# Altium PCB cat.PcbDoc (part 1 of 3) (continued)
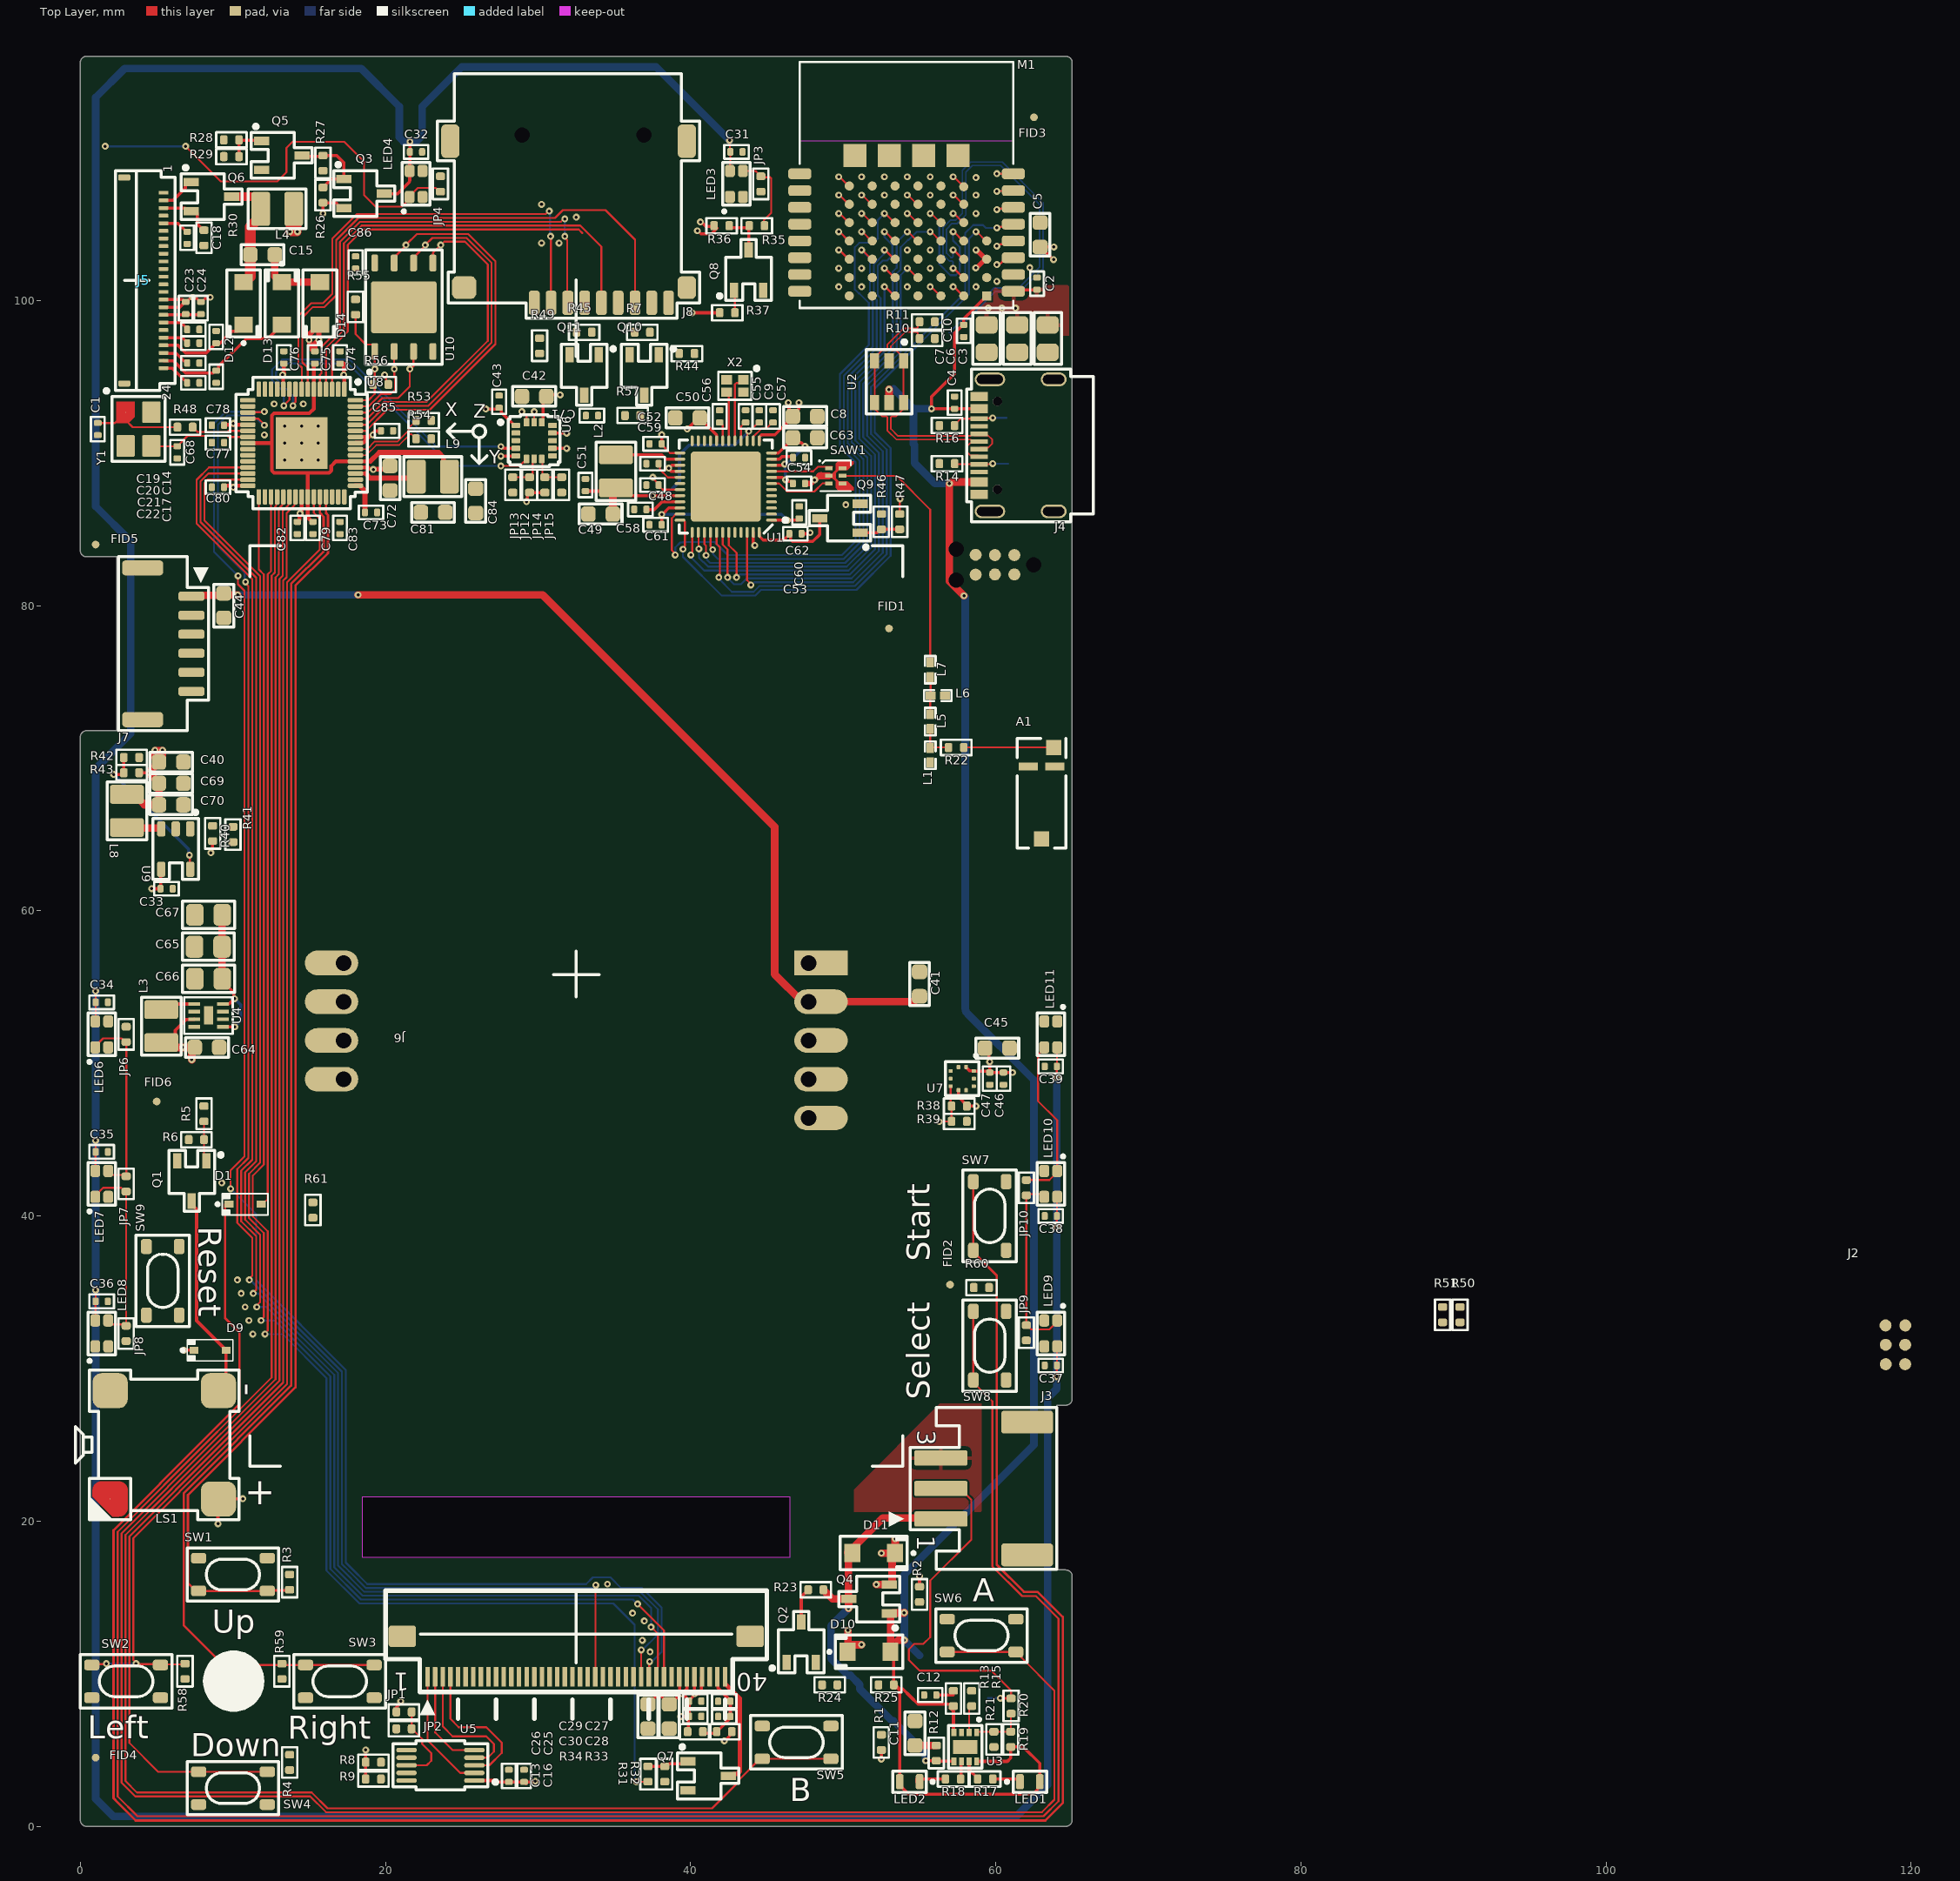
[diagram p0: Top Layer view]
## Components (designator, comment, footprint, x,y, rotation, side; value= is the part's Value field where it differs from the comment) (continued)
R19 "RC0402FR-076K8L" 0402_resistor 60.975,5.7 r90 top value=6.8kΩ
R20 "RC0402JR-071KL" 0402_resistor 61,7.886 r270 top value=1kΩ
R21 "Rset" 0402_resistor 59.875,5.7 r90 top value=1kΩ
R22 "RC0402FR-070RL" 0402_resistor 57.4,70.7 r0 top value=0Ω
R23 "RC0402FR-07100KL" 0402_resistor 48.2,15.5 r0 top value=100kΩ
R24 "RC0402FR-07100KL" 0402_resistor 49.111,9.271 r180 top value=100kΩ
R25 "RC0402FR-07100KL" 0402_resistor 52.811,9.271 r0 top value=100kΩ
R26 "RC0402FR-075K1L" 0402_resistor 15.9,106.9 r270 top value=5.1kΩ
R27 "RC0402FR-0710KL" 0402_resistor 15.9,109 r270 top value=10kΩ
R28 "RC0402JR-071KL" 0402_resistor 9.9,110.525 r0 top value=1kΩ
R29 "RC0402FR-0710KL" 0402_resistor 9.9,109.425 r180 top value=10kΩ
R30 "RL0402FR-070R47L" 0402_resistor 8.1,104.1 r90 top value=0.47Ω
R31 "RC0402JR-071KL" 0402_resistor 37.2,3.425 r90 top value=1kΩ
R32 "RC0402FR-0710KL" 0402_resistor 38.3,3.425 r270 top value=10kΩ
R33 "RC0402JR-0710RL" 0402_resistor 42.2,6.2 r0 top value=10Ω
R34 "RC0402JR-0710RL" 0402_resistor 40.3,6.2 r180 top value=10Ω
R35 "RMCF0402FT27R0" 0402_resistor 44.336,104.894 r0 top
R36 "RC0402FR-075K1L" 0402_resistor 42.029,104.894 r180 top value=5.1kΩ
R37 "RC0402FR-075K1L" 0402_resistor 42.4,99.192 r180 top value=5.1kΩ
R38 "RC0402FR-070RL" 0402_resistor 57.6,47.2 r180 top value=0Ω
R39 "RC0402FR-070RL" 0402_resistor 57.6,46.2 r0 top value=0Ω
R40 "RC0402FR-0710KL" 0402_resistor 8.667,65.069 r270 top value=10kΩ
R41 "RC0402FR-0710KL" 0402_resistor 10,65 r90 top value=10kΩ
R42 "RC0402FR-07100KL" 0402_resistor 3.349,70.046 r180 top value=100kΩ
R43 "RC0402FR-07442KL" 0402_resistor 3.349,69.046 r0 top value=442kΩ
R44 "RC0402JR-071KL" 0402_resistor 39.751,96.52 r180 top value=1kΩ
R45 "RC0402FR-075K1L" 0402_resistor 33.02,97.917 r180 top value=5.1kΩ
R46 "RC0402FR-075K1L" 0402_resistor 52.5,85.5 r90 top value=5.1kΩ
R47 "RC0402JR-071KL" 0402_resistor 53.7,85.5 r270 top value=1kΩ
R48 "RC0402JR-071KL" 0402_resistor 6.858,91.694 r0 top value=1kΩ
R49 "RC0402FR-07100KL" 0402_resistor 30.099,97.028 r90 top value=100kΩ
R50 "RC0402FR-072K2L" 0402_resistor 90.424,33.528 r90 top value=2.2kΩ
R51 "RC0402FR-072K2L" 0402_resistor 89.281,33.528 r90 top value=2.2kΩ
R53 "RMCF0402FT27R0" 0402_resistor 22.5,92.129 r0 top
R54 "RMCF0402FT27R0" 0402_resistor 22.5,90.929 r0 top
R55 "RMCF0402FT10K0" 0402_resistor 18.034,99.568 r270 top
R56 "RC0402JR-071KL" 0402_resistor 19.685,94.488 r0 top value=1kΩ
R57 "RC0402FR-0710KL" 0402_resistor 36.195,92.456 r180 top value=10kΩ
R58 "RC0402FR-075K1L" 0402_resistor 6.858,10.16 r90 top value=5.1kΩ
R59 "RC0402FR-075K1L" 0402_resistor 13.208,10.16 r90 top value=5.1kΩ
R60 "RC0402FR-075K1L" 0402_resistor 59.055,35.306 r180 top value=5.1kΩ
R61 "RC0402FR-075K1L" 0402_resistor 15.24,40.386 r90 top value=5.1kΩ
SAW1 "Diplexer" CAF-50P160X80-6N 49.5,88.508 r0 top
SW1 "Up" PTS815 10,16.5 r180 top locked
SW2 "Left" PTS815 3,9.5 r0 top locked
SW3 "Right" PTS815 17.003,9.5 r0 top locked
SW4 "Down" PTS815 10,2.5 r0 top locked
SW5 "B" PTS815 46.938,5.5 r180 top locked
SW6 "A" PTS815 59.062,12.5 r180 top locked
SW7 "Start" PTS815 59.6,40 r90 top
SW8 "Select" PTS815 59.6,31.5 r90 top
SW9 "Reset" PTS815 5.4,35.75 r90 top
U1 "Wi-Fi6 Companion Chip" QFN40P600X600X60-48N 42.3,87.8 r180 top
U2 "USB TVS" SOT95P280X110-6N 53.004,94.669 r270 top
U3 "Li+ Charger" SON50P200X80_HS-9N 58,5.2 r270 top
U4 "5V Boost" SON50P200X50_HS-9N 8.401,53.142 r0 top
U5 "Resistive Touch Controller" TSSOP50P490X112-10N 23.6,4 r180 top
U6 "3-Axis Accelerometer" LGA50P300X300X100-16N 29.742,90.812 r0 top locked
U7 "Barometer" LPS22 57.8,49 r270 top
U8 "Microcontroller" PQFN40P700X700X80_HS-61N 14.5,90.654 r270 top
U9 "Buck" SOT95P280X115-5N 6.249,64.046 r270 top
U10 "128Mb Flash" WDFN-8 21.2,99.554 r90 top
X2 "40MHz" 1612_CRYSTAL 42.9,94.4 r180 top
Y1 "TAXM12M4RLBDDT2T" 3225_crystal 3.81,91.567 r270 top value=12MHz

## Footprints (in the part's own frame and the unit in brackets; to place one, negate y for a bottom-side part, rotate by r counter-clockwise, add the part's x,y. Pads: shape width x height; smd on the part's side, far side on the other; paste and mask are expansions set on the pad)
006-0-0008 [mm] "Sunrise CO2 sensor"
  rect 3.5x1.62 hole 1.02 copper offset -0.8,0: 1(-15.24,5.08)
  oval 3.5x1.62 hole 1.02 copper offset -0.8,0: 2(-15.24,2.54) 3(-15.24,0) 4(-15.24,-2.54) 5(-15.24,-5.08)
  oval 3.5x1.62 hole 1.02 copper offset 0.8,0: 6(15.24,-2.54) 7(15.24,0) 8(15.24,2.54) 9(15.24,5.08)
  silkscreen extent -18.1,-9.85 18.1,9.85, body extent -17.04,-9.85 16.51,9.85, height 14.02
0402_capacitor [mm] "0402 chip capacitor"
  rrect50% 0.4x0.5 smd: 1(-0.4,0) 2(0.4,0)
  silkscreen extent -0.8,-0.45 0.8,0.45, body extent -0.53,-0.28 0.53,0.28, height 0.55
0402_resistor [mm] "Chip Resistor, 2-Leads, Body 1.00x0.50mm, IPC Medium Density"
  rrect50% 0.5x0.6 smd: 1(-0.5,0) 2(0.5,0)
  silkscreen extent -1,-0.5 1,0.5, body extent -0.53,-0.28 0.53,0.28, height 0.4
0603_capacitor [mm] "Chip Capacitor, 2-Leads, Body 1.60x0.80mm, IPC Medium Density"
  rrect50% 0.95x1 smd: 1(-0.8,0) 2(0.8,0)
  silkscreen extent -1.4,-0.65 1.4,0.65, body extent -0.87,-0.48 0.87,0.48, height 0.87
0603_DIODE [mm]
  rrect50% 0.5x1 smd: 1(-0.65,0) 2(0.65,0)
  silkscreen extent -1.61,-0.7 1.1,0.7, body extent -0.81,-0.4 0.81,0.4, height 0.74
0805_capacitor [mm] "Chip Capacitor, 2-Leads, Body 2.00x1.25mm, IPC Medium Density"
  rrect50% 1.15x1.45 smd: 1(-0.9,0) 2(0.9,0)
  silkscreen extent -1.7,-0.9 1.7,0.9, body extent -1.15,-0.72 1.15,0.72, height 0.95
1612_CRYSTAL [mm] "Crystal 1.6 x 1.2 mm"
  rect 0.7x0.6 smd: 1(-0.55,-0.4) 2(0.55,-0.4) 3(0.55,0.4) 4(-0.55,0.4)
  silkscreen extent -1.55,-1.27 1.09,0.91, body extent -0.83,-0.63 0.83,0.63, height 0.41
3225_crystal [mm]
  round 0.025 smd: 1(-1.1,-0.85)
  rrect10% 1.4x1.2 smd: 2(1.1,-0.85) 3(1.1,0.85) 4(-1.1,0.85)
  Top Layer region: -1.8,-1.45 -1.8,-0.25 -1.4,-0.25 -0.8,-0.25 -0.4,-0.65 -0.4,-1.45
  silkscreen extent -2.62,-2.22 2.12,1.75, body extent -1.6,-1.25 1.6,1.25, height 0.8
8585_speaker [mm]
  rrect50% 2.3x2.3 smd: +(3.55,3.55) -(-3.55,3.55) MP(-3.55,-3.55)
  round 0.025 smd: MP(3.55,-3.55)
  Top Layer region: 4.125,-2.4 4.345,-2.444 4.532,-2.568 4.656,-2.755 4.7,-2.975 4.7,-2.975 4.7,-3.4 3.4,-4.7 2.975,-4.7 2.755,-4.656 2.568,-4.532 2.444,-4.345 2.4,-4.125 2.4,-4.125 2.4,-2.975 2.444,-2.755 2.568,-2.568 2.755,-2.444 2.975,-2.4 2.975,-2.4
  silkscreen extent -4.9,-5.82 4.9,4.9, body extent -4.3,-4.3 4.3,4.3, height 3
BT40 [mm] "BLE Module"
  rrect50% 1.5x0.7 smd: 1(-7,3.332) 2(-7,2.232) 3(-7,1.132) 4(-7,0.032) 5(-7,-1.068) 6(-7,-2.168) 7(-7,-3.268) 8(-7,-4.368) 9(7,-4.368) 10(7,-3.268) 11(7,-2.168) 12(7,-1.068) 13(7,0.032) 14(7,1.132) 15(7,2.232) 16(7,3.332)
  round 0.6 smd: A0(-2.25,2.533) A1(-2.25,1.333) A2(-2.25,0.133) A3(-2.25,-1.067) A4(-2.25,-2.267) A5(-2.25,-3.467) A6(-2.25,-4.667) B0(-0.75,2.533) B1(-0.75,1.333) B2(-0.75,0.133) B3(-0.75,-1.067) B4(-0.75,-2.267) B5(-0.75,-3.467) B6(-0.75,-4.667) C0(0.75,2.533) C1(0.75,1.333) C2(0.75,0.133) C3(0.75,-1.067) C4(0.75,-2.267) C5(0.75,-3.467) C6(0.75,-4.667) D0(2.25,2.533) D1(2.25,1.333) D2(2.25,0.133) D3(2.25,-1.067) D4(2.25,-2.267) D5(2.25,-3.467) D6(2.25,-4.667) E0(3.75,2.485) E1(3.75,1.333) E2(3.75,0.133) E3(3.75,-1.067) E4(3.75,-2.267) E5(3.75,-3.467) E6(3.75,-4.667) F3(5.25,-1.067) F4(5.25,-2.267) F5(5.25,-3.467) Z0(-3.75,2.533) Z1(-3.75,1.333) Z2(-3.75,0.133) Z3(-3.75,-1.067) Z4(-3.75,-2.267) Z5(-3.75,-3.467) Z6(-3.75,-4.667)
  rect 0.6x0.6 smd: F6(5.25,-4.667)
  rect 1.5x1.5 smd: H0(-3.375,4.533) H1(-1.125,4.533) H2(1.125,4.533) H3(3.375,4.533)
  Top Layer keep-out region: -7,5.5 6.997,5.5 6.997,10.662 -7,10.662
  silkscreen extent -7.01,-5.47 7,10.66, body extent -7,-5.38 7,10.66, height 2.01
CAF-50P160X80-6N [mm] "Chip Array, Flat, 6-Leads, Pitch 0,50mm,  Body 1,60x0,80mm,  IPC Medium Density"
  rect 0.5x0.25 smd mask+0.08: 1(-0.45,0.5) 2(-0.45,0) 3(-0.45,-0.5) 5(0.45,-0.5) 6(0.45,0) 7(0.45,0.5)
  Top Layer region: 0.786,0.375 0.2,0.375 0,0.175 0,-0.175 0.2,-0.375 0.789,-0.375 1.175,-0.761 1.175,-0.95 0.15,-0.95 0,-0.8 0,-0.375 -0.25,-0.125 -0.8,-0.125 -0.9,-0.225 -1,-0.225 -1,0.225 -0.9,0.225 -0.8,0.125 -0.25,0.125 0,0.375 0,0.8 0.15,0.95 1.175,0.95 1.175,0.764
  silkscreen extent -1.1,-1 1,1.02, body extent -0.53,-0.88 0.47,0.88, height 0.7
CH240QV23A-T [mm]
  rrect25% 1.3x0.3 smd: 1(38.2,-9.75) 2(38.2,-9.25) 3(38.2,-8.75) 4(38.2,-8.25) 5(38.2,-7.75) 6(38.2,-7.25) 7(38.2,-6.75) 8(38.2,-6.25) 9(38.2,-5.75) 10(38.2,-5.25) 11(38.2,-4.75) 12(38.2,-4.25) 13(38.2,-3.75) 14(38.2,-3.25) 15(38.2,-2.75) 16(38.2,-2.25) 17(38.2,-1.75) 18(38.2,-1.25) 19(38.2,-0.75) 20(38.2,-0.25) 21(38.2,0.25) 22(38.2,0.75) 23(38.2,1.25) 24(38.2,1.75) 25(38.2,2.25) 26(38.2,2.75) 27(38.2,3.25) 28(38.2,3.75) 29(38.2,4.25) 30(38.2,4.75) 31(38.2,5.25) 32(38.2,5.75) 33(38.2,6.25) 34(38.2,6.75) 35(38.2,7.25) 36(38.2,7.75) 37(38.2,8.25) 38(38.2,8.75) 39(38.2,9.25) 40(38.2,9.75)
  rrect25% 1.4x1.8 smd: MP(35.55,-11.4) MP(35.55,11.4)
  Keep-Out Layer board cut-out: 26.4,14 30.4,14 30.4,-14 26.4,-14
  silkscreen extent -35.91,-21.4 40.95,21.4, body extent -35.87,-21.36 38.35,21.36, height 3.5
debug_header_dual [mm]
  round 0.787 smd paste-2: 1(1.27,-0.635) 2(1.27,0.635) 3(2.54,-0.635) 4(2.54,0.635) 5(3.81,-0.65) 6(3.81,0.65)
  round 0.787 smd far side paste-2: 1(1.27,0.635) 2(1.27,-0.635) 3(2.54,0.635) 4(2.54,-0.635) 5(3.81,0.65) 6(3.81,-0.65)
  round 0 hole 0.991 unplated: ""(0,0) ""(5.08,-1.016) ""(5.08,1.016)
E2206KS0E1 [mm]
  rrect50% 0.65x0.25 smd: 1(-27.05,8.222) 2(-27.05,7.722) 3(-27.05,7.222) 4(-27.05,6.722) 5(-27.05,6.222) 6(-27.05,5.722) 7(-27.05,5.222) 8(-27.05,4.722) 9(-27.05,4.222) 10(-27.05,3.722) 11(-27.05,3.222) 12(-27.05,2.722) 13(-27.05,2.222) 14(-27.05,1.722) 15(-27.05,1.222) 16(-27.05,0.722) 17(-27.05,0.222) 18(-27.05,-0.278) 19(-27.05,-0.778) 20(-27.05,-1.278) 21(-27.05,-1.778) 22(-27.05,-2.278) 23(-27.05,-2.778) 24(-27.05,-3.278)
  rrect50% 0.8x0.4 smd: MP(-29.625,-4.278) MP(-29.625,9.222)
  silkscreen extent -30.2,-4.73 2.5,9.67, body extent -39.45,-14.75 26,14.75, height 3.85
fiducial-0.5 [mm]
  round 0.5 smd paste-0.25 mask+0.5: F(0,0)
INDC1005X04L [mm] "Chip Inductor, 2-Leads, Body 2.50x2.00mm, IPC Medium Density"
  rect 0.65x0.5 smd: 1(-0.475,0) 2(0.475,0)
  silkscreen extent -0.9,-0.35 0.9,0.35, body extent -0.5,-0.28 0.5,0.33, height 0.5
INDC2520X12N [mm] "Chip Inductor, 2-Leads, Body 2.50x2.00mm, IPC Medium Density"
  rrect25% 1.23x2.22 smd: 1(-1.085,0) 2(1.085,0)
  silkscreen extent -1.9,-1.3 1.9,1.3, body extent -1.35,-1.1 1.35,1.1, height 1.2
LGA50P300X300X100-16N [mm] "LGA, 16-Leads, Body 3.00x3.00mm, Pitch 0.50mm, IPC Medium Density"
  rrect20% 0.55x0.35 smd: 1(-1.2,1) 2(-1.2,0.5) 3(-1.2,0) 4(-1.2,-0.5) 5(-1.2,-1) 9(1.2,-1) 10(1.2,-0.5) 11(1.2,0) 12(1.2,0.5) 13(1.2,1)
  rrect20% 0.35x0.55 smd: 6(-0.5,-1.2) 7(0,-1.2) 8(0.5,-1.2) 14(0.5,1.2) 15(0,1.2) 16(-0.5,1.2)
  silkscreen extent -5.7,-1.7 1.7,1.7, body extent -1.58,-1.58 1.58,1.58, height 1
LPS22 [mm] "LGA-10"
  rrect50% 0.275x0.25 smd: 1(-0.76,0.25) 2(-0.76,-0.25) 6(0.76,-0.25) 7(0.76,0.25)
  rrect50% 0.25x0.275 smd: 3(-0.5,-0.76) 4(0,-0.76) 5(0.5,-0.76) 8(0.5,0.76) 9(0,0.76) 10(-0.5,0.76)
  silkscreen extent -1.6,-1.1 1.1,1.1, body extent -1,-1 1,1, height 0.81
NN03-320 [mm]
  rect 1x1 smd: 1(-3,0) 4(3,-0.8)
  rect 0.5x1.25 smd: 2(1.75,-0.875) 3(1.75,0.875)
  Multi-Layer pour cut-out: -3.5,1.5 3.5,1.5 3.5,-1.5 -3.5,-1.5
  silkscreen extent -3.6,-1.6 3.6,1.6, body extent -3.5,-1.5 3.5,1.5, height 2.01
PQFN40P700X700X80_HS-61N [mm] "PQFN, 60-Leads, Body 7.00x7.00mm, Pitch 0.40mm, Thermal Pad 3.40x3.40mm, IPC Medium Density"
  rrect50% 1x0.3 smd: 1(-3.525,2.8) 2(-3.525,2.4) 3(-3.525,2) 4(-3.525,1.6) 5(-3.525,1.2) 6(-3.525,0.8) 7(-3.525,0.4) 8(-3.525,0) 9(-3.525,-0.4) 10(-3.525,-0.8) 11(-3.525,-1.2) 12(-3.525,-1.6) 13(-3.525,-2) 14(-3.525,-2.4) 15(-3.525,-2.8) 31(3.525,-2.8) 32(3.525,-2.4) 33(3.525,-2) 34(3.525,-1.6) 35(3.525,-1.2) 36(3.525,-0.8) 37(3.525,-0.4) 38(3.525,0) 39(3.525,0.4) 40(3.525,0.8) 41(3.525,1.2) 42(3.525,1.6) 43(3.525,2) 44(3.525,2.4) 45(3.525,2.8)
  rrect50% 0.3x1 smd: 16(-2.8,-3.525) 17(-2.4,-3.525) 18(-2,-3.525) 19(-1.6,-3.525) 20(-1.2,-3.525) 21(-0.8,-3.525) 22(-0.4,-3.525) 23(0,-3.525) 24(0.4,-3.525) 25(0.8,-3.525) 26(1.2,-3.525) 27(1.6,-3.525) 28(2,-3.525) 29(2.4,-3.525) 30(2.8,-3.525) 46(2.8,3.525) 47(2.4,3.525) 48(2,3.525) 49(1.6,3.525) 50(1.2,3.525) 51(0.8,3.525) 52(0.4,3.525) 53(0,3.525) 54(-0.4,3.525) 55(-0.8,3.525) 56(-1.2,3.525) 57(-1.6,3.525) 58(-2,3.525) 59(-2.4,3.525) 60(-2.8,3.525)
  rect 3.4x3.4 smd: EP(0,0)
  silkscreen extent -4.3,-4.3 4.3,4.3, body extent -3.5,-3.5 3.5,3.5, height 0.8
PTS815 [mm]
  rrect50% 1x0.7 smd: 1(-2.25,1.075) 2(2.25,1.075) 3(-2.25,-1.075) 4(2.25,-1.075)
  silkscreen extent -3,-1.75 3,1.75, body extent -2.25,-1.6 2.25,1.6, height 2.5
QFN40P600X600X60-48N [mm] "QFN, 48-Leads, Body 6.1x6.1mm (max), Pitch 0.40mm, IPC Medium Density"
  oval 0.7x0.2 smd: 1(-3,2.2) 2(-3,1.8) 3(-3,1.4) 4(-3,1) 5(-3,0.6) 6(-3,0.2) 7(-3,-0.2) 8(-3,-0.6) 9(-3,-1) 10(-3,-1.4) 11(-3,-1.8) 12(-3,-2.2) 25(3,-2.2) 26(3,-1.8) 27(3,-1.4) 28(3,-1) 29(3,-0.6) 30(3,-0.2) 31(3,0.2) 32(3,0.6) 33(3,1) 34(3,1.4) 35(3,1.8) 36(3,2.2)
  oval 0.2x0.7 smd: 13(-2.2,-3) 14(-1.8,-3) 15(-1.4,-3) 16(-1,-3) 17(-0.6,-3) 18(-0.2,-3) 19(0.2,-3) 20(0.6,-3) 21(1,-3) 22(1.4,-3) 23(1.8,-3) 24(2.2,-3) 37(2.2,3) 38(1.8,3) 39(1.4,3) 40(1,3) 41(0.6,3) 42(0.2,3) 43(-0.2,3) 44(-0.6,3) 45(-1,3) 46(-1.4,3) 47(-1.8,3) 48(-2.2,3)
  rrect10% 4.6x4.6 smd: EP(0,0)
  silkscreen extent -4.03,-3.05 3.05,3.05, body extent -3.02,-3.02 3.02,3.02, height 0.86
S3B-PH-SM4-TB [mm]
  rrect25% 1x3.5 smd: 1(2,-2.8) 2(0,-2.8) 3(-2,-2.8)
  rrect25% 1.5x3.4 smd: MP(-4.35,2.85) MP(4.35,2.85)
  silkscreen extent -5.3,-6.2 5.3,4.8, body extent -4.95,-4.15 4.95,4.45, height 5.61
SM06B-GHS-TB [mm]
  rrect50% 0.6x1.7 smd: 1(-3.12,2.28) 2(-1.872,2.28) 3(-0.624,2.28) 4(0.624,2.28) 5(1.872,2.28) 6(3.12,2.28)
  rrect50% 1x2.7 smd: MP(-4.97,-0.92) MP(4.97,-0.92)
  silkscreen extent -5.7,-2.5 5.7,3.4, body extent -5.37,-2.15 5.38,2.7, height 4.36
SOD-123 [mm] "SODFL, 2-Leads, Body 1.78x3.70mm, IPC Medium Density"
  rect 1.05x1.2 smd: A(1.4,0) K(-1.4,0)
  silkscreen extent -2.7,-1.12 2.2,1.12, body extent -1.85,-0.96 1.85,0.96, height 1
SOD-323 [mm] "Diode Standard 75V 150mA Surface Mount SOD-323"
  rect 0.59x0.45 smd: A(1.055,0) K(-1.055,0)
  silkscreen extent -1.9,-0.7 1.5,0.7, body extent -1.25,-0.7 1.25,0.7, height 1.2
SON50P200X50_HS-9N [mm] "SON, 8-Leads, Body 2.00x2.00mm, Pitch 0.50mm, Thermal Pad 1.20x0.60mm, IPC Medium Density"
  rect 0.75x0.25 smd: 1(-0.94,0.75) 2(-0.94,0.25) 3(-0.94,-0.25) 4(-0.94,-0.75) 5(0.94,-0.75) 6(0.94,-0.25) 7(0.94,0.25) 8(0.94,0.75)
  rect 0.6x1.2 smd: EP(0,0)
  silkscreen extent -1.85,-1.2 1.59,1.2, body extent -1.03,-1.02 1.03,1.02, height 0.5
SON50P200X80_HS-9N [mm] "SON, 8-Leads, Body 2.00x2.00mm, Pitch 0.50mm, Thermal Pad 1.60x0.69mm, IPC Medium Density"
  rect 0.5x0.32 smd: 1(-0.945,0.75) 2(-0.945,0.25) 3(-0.945,-0.25) 4(-0.945,-0.75) 5(0.945,-0.75) 6(0.945,-0.25) 7(0.945,0.25) 8(0.945,0.75)
  rect 0.9x1.6 smd: EP(0,0)
  silkscreen extent -1.9,-1.1 1.4,1.1, body extent -1.05,-1.05 1.05,1.05, height 0.8
SOT95P280X110-6N [mm] "SOT23, 6-Leads, Body 2,90x2,80mm, Pitch 0,95mm, IPC Medium Density"
  rect 1x0.6 smd: 1(-1.375,0.95) 2(-1.375,0) 3(-1.375,-0.95) 4(1.375,-0.95) 5(1.375,0) 6(1.375,0.95)
  silkscreen extent -2.72,-1.5 2.1,1.5, body extent -0.88,-1.52 0.87,1.53, height 1.1
SOT95P280X115-3N [mm] "SOT23, 3-Leads, Body 2.92x2.80mm, Pitch 0.95mm, IPC Medium Density"
  rect 1x0.55 smd: 1(-1.325,0.95) 2(-1.325,-0.95) 3(1.325,0)
  silkscreen extent -2,-1.5 2,2.02, body extent -1.45,-1.49 1.45,1.49, height 1.15
SOT95P280X115-5N [mm] "SOT23, 5-Leads, Body 2.92x2.80mm, Pitch 0.95mm, IPC Medium Density"
  rrect50% 1x0.55 smd: 1(-1.325,0.95) 2(-1.325,0) 3(-1.325,-0.95) 4(1.325,-0.95) 5(1.325,0.95)
  silkscreen extent -2.52,-1.5 2,1.5, body extent -1.45,-1.49 1.45,1.49, height 1.15
TF-115YY-BCP9 [mm] "Micro SD holder"
  rrect50% 0.7x1.6 smd: 1(2.25,6.5) 2(1.15,6.5) 3(0.05,6.5) 4(-1.05,6.5) 5(-2.15,6.5) 6(-3.25,6.5) 7(-4.35,6.5) 8(-5.45,6.5) CD(-6.55,6.5)
  rrect50% 1.2x1.5 smd: MP(-7.75,5.5)
  rrect50% 1.2x2.2 smd: MP(-7.75,-4.1) MP(7.75,-4.1)
  rrect50% 1.6x1.5 smd: MP(6.85,5.5)
  rrect50% 0x0 hole 1 unplated: ""(-4.95,-4.5) ""(3.05,-4.5)
  silkscreen extent -8.6,-8.5 8.6,7.5, body extent -8,-11.07 8.1,6.75, height 2.05
TSSOP50P490X112-10N [mm] "TSSOP, 10-Leads, Body 3.00x3.00mm, Pitch 0.50mm, IPC Medium Density"
  oval 1.35x0.3 smd: 1(-2.225,1) 2(-2.225,0.5) 3(-2.225,0) 4(-2.225,-0.5) 5(-2.225,-1) 6(2.225,-1) 7(2.225,-0.5) 8(2.225,0) 9(2.225,0.5) 10(2.225,1)
  silkscreen extent -3.73,-1.6 3.1,1.6, body extent -2.45,-1.55 2.45,1.55, height 1.12
USB_C_2.0_M12 [mm] "HRO M12/GCT 4105 USB-C 2.0 CONNECTOR"
  rect 0.6x1.14 smd: A1/B12(-3.2,3.5) A4/B9(-2.4,3.5) A9/B4(2.4,3.5) B1/A12(3.2,3.5)
  rect 0.3x1.14 smd: A5(-1.25,3.5) A6(-0.25,3.5) A7(0.25,3.5) A8(1.25,3.5) B5(1.75,3.5) B6(0.75,3.5) B7(-0.75,3.5) B8(-1.75,3.5)
  round 0.6 hole 0.6 unplated: MH(-2.89,2.29) MH(2.89,2.29)
  oval 0.9x1.7 hole 0.6 slot 1.4 at 90 deg: MP(-4.325,-1.39) MP(4.325,-1.39)
  oval 0.9x1.7 on Top Paste: MP(-4.325,-1.39) MP(4.325,-1.39)
  oval 0.9x2 hole 0.6 slot 1.7 at 90 deg: MP(-4.325,2.79) MP(4.325,2.79)
  oval 0.9x2 on Top Paste: MP(-4.325,2.79) MP(4.325,2.79)
  silkscreen extent -5,-4 5,4.3, body extent -4.48,-3.95 4.46,3.95, height 3.21
WDFN-8 [mm] "SON, 8-Leads, Body 6.00x5.00mm, Pitch 1.27mm, Thermal Pad 3.50x3.19mm, IPC Medium Density"
  rrect50% 1.1x0.45 smd: 1(-2.9,1.905) 2(-2.9,0.635) 3(-2.9,-0.635) 4(-2.9,-1.905) 5(2.9,-1.905) 6(2.9,-0.635) 7(2.9,0.635) 8(2.9,1.905)
  rrect10% 3.4x4.3 smd paste-2539.97: EP(0,0)
  silkscreen extent -4.3,-2.5 3.75,2.5, body extent -3,-2.5 3,2.5, height 0.81
XL-1615RGBC-WS2812B [mm] "RGB LED"
  rrect50% 0.8x0.65 smd: 1(-0.85,0.425) 2(0.85,0.425) 3(-0.85,-0.425) 4(0.85,-0.425)
  silkscreen extent -1.9,-0.9 1.4,0.9, body extent -0.8,-0.75 0.8,0.75, height 0.71

## Part data
A1: library part NN03-320, "Dual-Band GNSS and Wi-Fi/BluetoothAntenna", Manufacturer=Ignion, Part number IPS=N.A., Part number NEMS=100700066, Supplier Part Number 1=2115-NN03-320CT-ND, Artikkelnr Noca=N.A., Author=rubr, Component Class=Antennas, Component Status=Active, ComponentLink1Description=Datasheet, ComponentLink1URL=https://ignion.io/files/DS_NN03-320.pdf, ComponentLink2Description="Supplier link", ComponentLink2URL=https://ignion.io/product/duo-mxtend/, Footprint Doc=NN03-320, HelpURL=https://ignion.io/files/UM_NN03-320.pdf, LatestRevisionDate=2021-12-10, Manufacturer Part Number=NN03-320, Note=N.A., Pad Count=4, Part Number=NN03-320, Part number Norautron=N.A., PartId=100700066, Published=2023-01-31, Supplier 1=Digi-Key, Supplier 2=Mouser, Supplier Part Number 2=128-NN03-320